# KiCad board motherboard.kicad_pcb (continued)
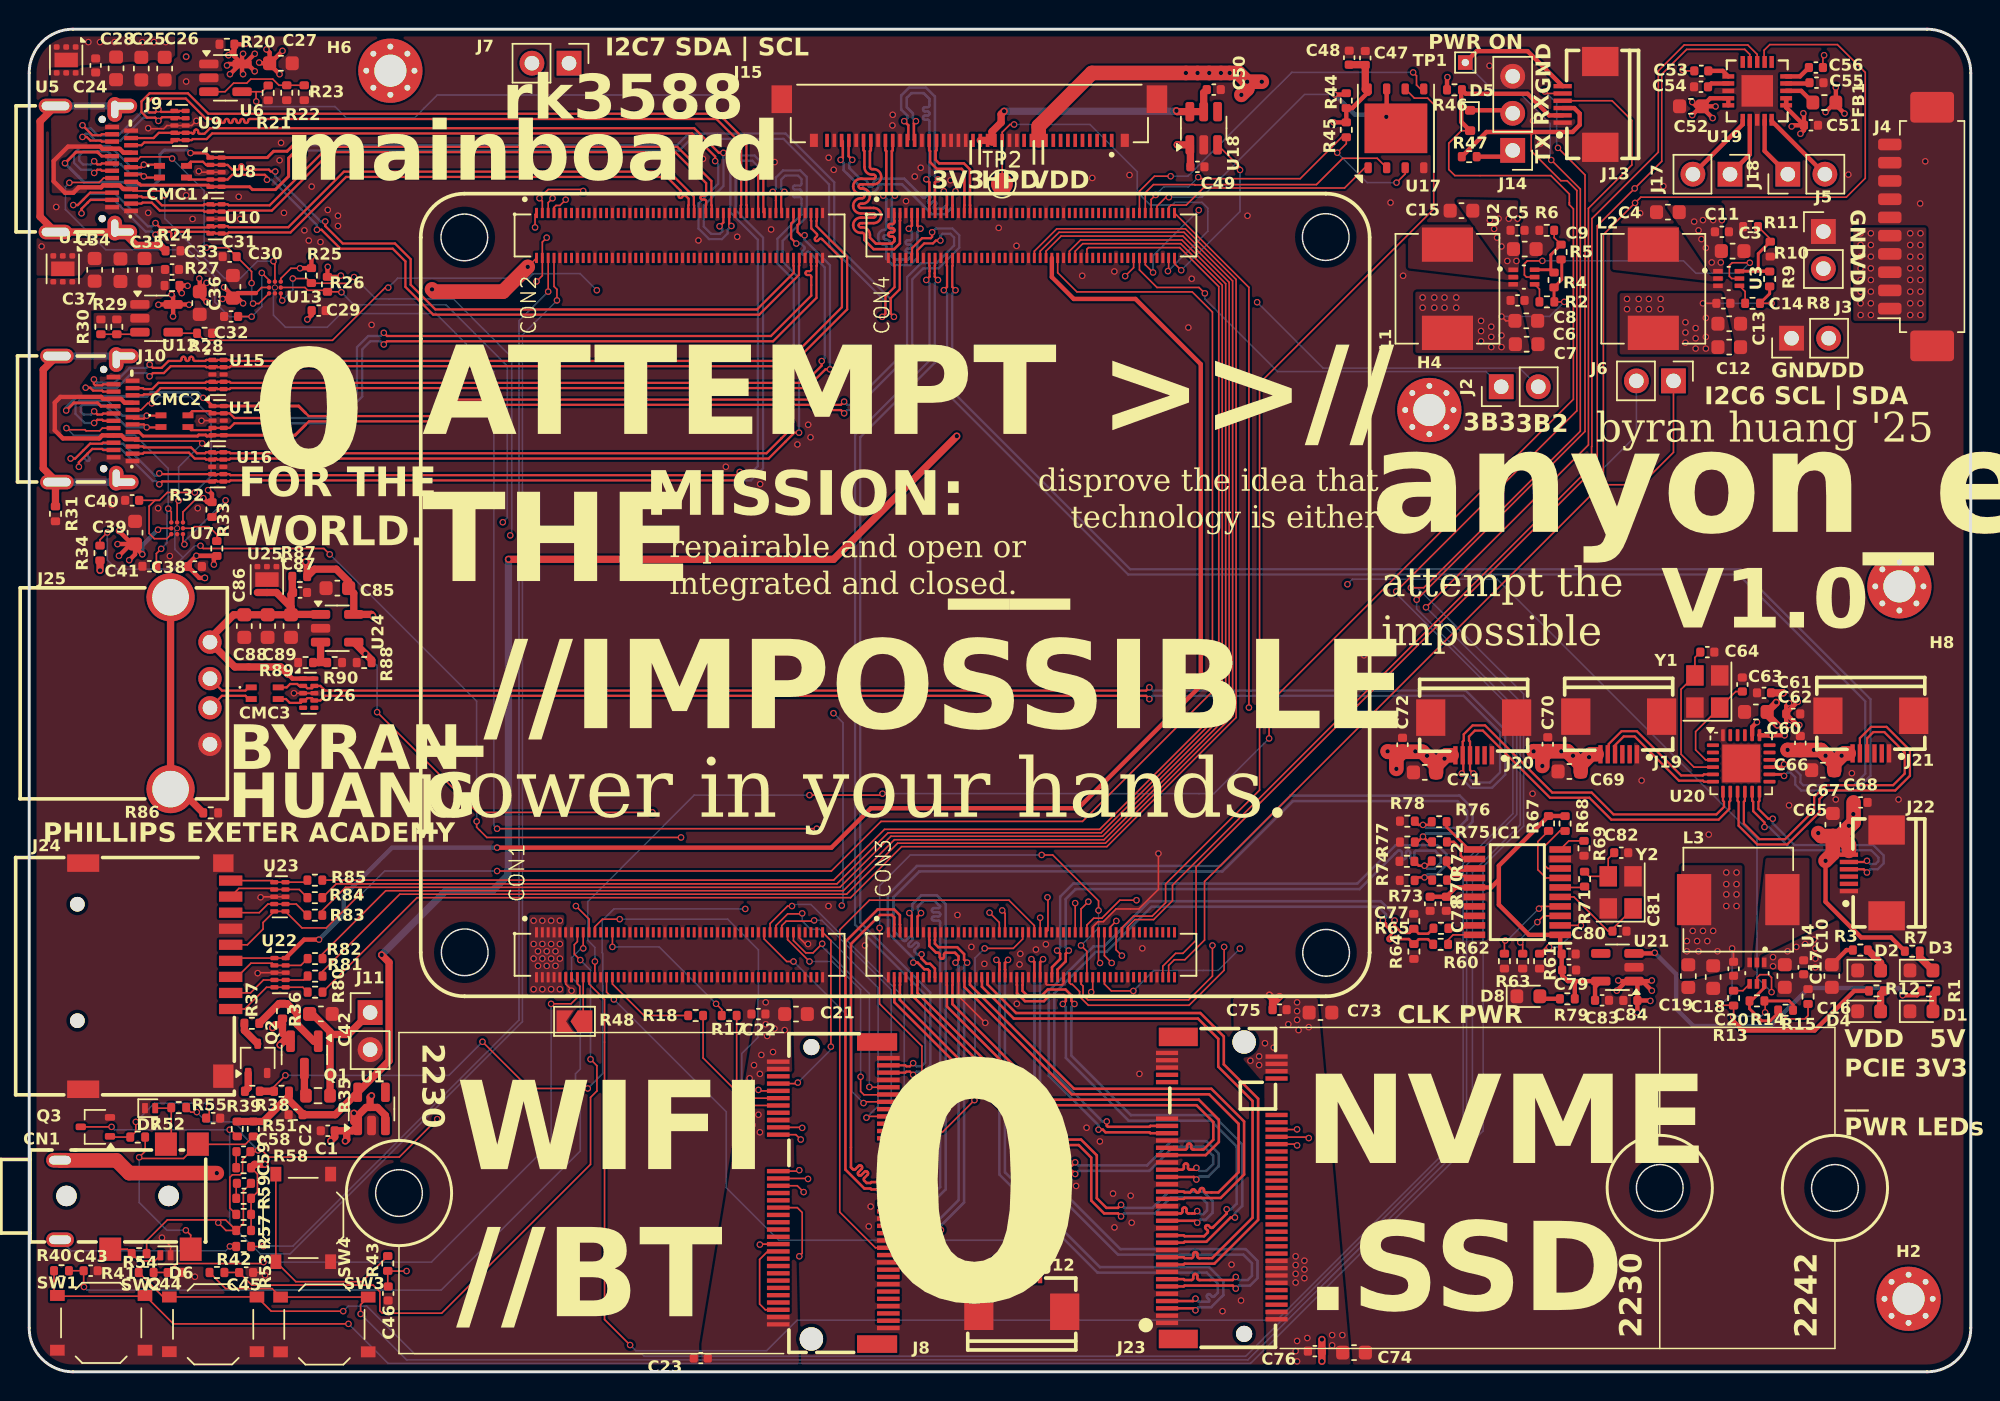
[diagram p0: board, top side]
## Routing (per net, layer and track width the routed paths; a pad name or vN(x,y) marks a point on that pad's centre or on a via; arc(x,y) is an arc through that point) (continued)
/PCIE30_PORT1_TX3P: length 41.1
  Top w0.176: J1.252 68.85,28.07 v1(68.65,28.28) ; v1(82.65,6.5) 82.44,6.29 80.14,6.29 arc(80.06,6.32) 80.02,6.4 80.02,6.59 arc(79.99,6.67) 79.91,6.7 79.85,6.7 arc(79.77,6.67) 79.74,6.59 79.74,6.4 arc(79.7,6.32) 79.62,6.29 79.14,6.29 79.08,6.35 J23.13
  Bottom w0.176: v1(68.65,28.28) 68.86,28.07 68.86,13.76 74.59,8.03 83.17,8.03 83.76,7.44 83.76,6.58 83.47,6.29 82.86,6.29 v1(82.65,6.5)
/PMIC_EXT_EN_OUT: length 168.1
  Top w0.11: U2.5 102.56,75.02 102.42,75.16 102.42,75.93 102.62,76.13 v1(103.65,76.13) ; U4.5 118.35,27.02 118.55,27.22 119.15,27.22 119.35,27.02 v1(119.35,26.02) ; J1.19 38.35,31.02 v1(37.45,31.92) ; U3.5 116.62,74.92 116.46,75.08 116.46,75.81 116.65,76 v1(117.86,76)
  In2.Cu w0.11: v1(37.45,31.92) 37.45,34.72 44.95,42.22 78.55,42.22 v1(90.3,53.97) 93.37,53.97 93.42,54.01 93.86,54.01 93.91,53.97 94.12,53.97 94.42,54.26 94.86,54.26 94.93,54.19 106.33,65.6 106.33,73.44 v1(103.65,76.13)
  Bottom w0.11: v1(119.35,26.02) 118.35,27.02 118.35,36.52 100.55,54.32 90.65,54.32 v1(90.3,53.97) ; v1(103.65,76.13) 113.32,76.13 114.17,75.28 117.14,75.28 v1(117.86,76)
/PWRON_L: length 56.1
  Top w0.11: R40.1 C43.1 3.73,5.84 v1(3.75,5.82) ; J1.17 37.95,29.02 v1(37.95,29.02)
  Bottom w0.11: v1(37.95,29.02) 37.79,29.02 37.15,28.37 37.15,27.02 37.75,26.42 37.75,20.76 37.42,20.43 37.42,19.5 37.75,19.17 37.75,15.13 28.22,5.6 3.96,5.6 v1(3.75,5.82)
/RECOVERY: length 79.3
  Top w0.11: C46.1 24.56,5.88 R43.1 24.57,6.91 v1(25.85,6.91) ; J1.101 34.65,79.31 v1(34.65,78.42)
  In2.Cu w0.11: v1(25.85,6.91) 27.29,8.34 27.29,23.7 26.55,24.43 26.55,70.62 34.35,78.42 v1(34.65,78.42)
/RESET_L: length 43.9
  Top w0.11: J1.16 37.55,26.58 37.71,26.41 37.71,25.82 37.11,25.22 v1(35.75,25.22) ; R41.1 C44.1 10.11,7.42 15.96,7.42 v1(16.05,7.52)
  Bottom w0.11: v1(16.05,7.52) 27.55,7.52 35.75,15.71 v1(35.75,25.22)
/SD Card/CLK: length 114.4
  Top w0.11: J1.360 70.45,75.31 71.77,74 79.67,74 81.05,72.62 81.05,46.62 72.15,37.72 58.35,37.72 54.95,34.32 v1(32.05,34.32) ; J24.5 14.95,29.26 16.02,30.34 16.02,30.79 U23.5 U23.6 18.69,30.42 20.35,30.42 22.55,32.62 v1(22.65,32.62)
  Bottom w0.11: v1(22.65,32.62) 24.35,34.32 v1(32.05,34.32)
/SD Card/CMD: length 6
  Top w0.11: U22.2 16.72,27.85 ; U22.2 16.65,28 15.19,28 14.25,27.06 J24.3 ; U22.2 U22.9 18.61,27.85 R82.2
/SD Card/D0: length 5.8
  Top w0.11: R83.2 18.3,32.05 U23.7 U23.4 16.35,32.05 15.76,31.46 J24.7
/SD Card/D1: length 5.8
  Top w0.11: R84.2 18.5,33.05 U23.9 U23.2 16.71,33.13 14.37,33.13 J24.8
/SD Card/D2: length 6
  Top w0.11: R80.2 18.74,26.35 U22.6 U22.5 16.26,26.35 14.77,24.86 J24.1
/SD Card/D3: length 5.8
  Top w0.11: R81.2 18.81,26.85 U22.7 U22.4 16.05,26.85 15.16,25.96 J24.2
/SD Card/DET: length 5.4
  Top w0.11: R85.2 18.92,33.55 U23.10 U23.1 16.67,33.66 J24.9
/SDMMC0_CMD: length 113.6
  Top w0.11: R82.1 20.09,28.64 24.42,32.96 55.77,32.96 59.26,36.46 73.62,36.46 82.2,45.03 82.2,74.66 79.03,77.83 70.69,77.83 69.65,76.79 J1.356
/SDMMC0_D0: length 110
  Top w0.11: J1.364 71.25,76.79 72.02,77.56 78.96,77.56 81.96,74.56 81.96,45.13 73.53,36.7 59.03,36.7 55.53,33.2 21.67,33.2 20.08,31.61 R83.1
/SDMMC0_D1: length 108.1
  Top w0.11: J1.366 71.65,76.79 72.17,77.31 78.88,77.31 81.72,74.46 81.72,45.23 73.43,36.93 58.83,36.93 55.33,33.44 21.02,33.44 R84.1
/SDMMC0_D2: length 116.7
  Top w0.11: J1.352 68.85,76.79 70.39,78.32 79.2,78.32 82.67,74.85 82.67,44.84 73.82,35.99 59.76,35.99 56.26,32.49 26.57,32.49 R80.1
/SDMMC0_D3: length 115.3
  Top w0.11: R81.1 20.09,27.44 25.38,32.73 55.99,32.73 59.49,36.22 73.72,36.22 82.43,44.93 82.43,74.75 79.1,78.09 70.55,78.09 69.25,76.79 J1.354
/System/BOOT_SARADC: length 181.5
  Top w0.11: v1(95.68,52.39) 106.81,63.51 106.81,79.72 109.78,82.7 109.78,85.75 108.43,87.1 J13.4 ; v1(22.7,3.97) 22.7,4.6 SW3.1 SW3.1 16.64,5.7 13.46,5.7 R42.2
  Bottom w0.11: v1(22.7,3.97) 25.85,0.81 83.48,0.81 98.86,16.2 98.86,34.22 102.13,37.49 102.13,45.93 v1(95.68,52.39)
/System/PWRON_L_IN: length 203.7
  Top w0.11: SW1.1 1.93,5.27 1.7,5.5 ; 1.7,5.5 R40.2 ; 1.7,5.5 2.02,5.18 7.88,5.18 SW1.1 9.88,3.29 v1(21.87,3.29) ; v1(94.64,53.73) 95.53,53.73 106.25,64.45 106.25,81.05 v1(104.26,83.04)
  Top w0.3: TP1.1 99.15,90.5 102.64,90.5 J13.6
  Bottom w0.11: v1(104.26,83.04) 104.19,83.11 104.19,85.53 102.23,87.49 100.6,87.49 TP1.1 ; v1(94.64,53.73) 95.1,53.73 102.37,46.45 102.37,37.39 99.59,34.61 99.59,16.51 83.66,0.58 24.58,0.58 v1(21.87,3.29)
/System/RECOVERY_IN: length 15
  Top w0.11: R43.2 22.8,6.18 18.27,6.18 SW4.1 SW4.1
/System/RESET_L_IN: length 182.9
  Top w0.11: v1(103.82,87.74) 103.96,87.6 J13.5 ; v1(95.04,52.91) 106.57,64.44 106.57,82.02 v1(104.72,83.87) ; v1(21.51,4.16) 16.58,4.16 SW2.1 SW2.1 9.18,5.13 R41.2
  Bottom w0.11: v1(103.82,87.74) 104.63,86.93 104.63,83.96 v1(104.72,83.87) ; v1(21.51,4.16) 21.86,4.5 23.13,4.5 26.42,1.21 41.99,1.21 42.13,1.06 83.33,1.06 98.46,16.2 98.46,34.74 101.9,38.18 101.9,45.41 95.04,52.27 v1(95.04,52.91)
/System/UART_RX: length 126.1
  Top w0.11: 105.5,80.12 105.5,80.7 104.24,81.97 97.66,81.97 97.24,82.39 97.24,84.18 98.1,85.04 D5.2 ; 105.5,80.12 105.5,80.05 ; 105.5,80.12 105.5,79.97 105.78,79.69 105.78,66.64 84.93,45.8 v1(84.93,43.4) ; v1(38.75,28.12) 38.75,28.11 J1.22 ; v1(53.45,39.52) 58.35,39.52 v1(58.45,39.62)
  Top w0.3: J13.2 104.12,86.1 102.64,87.58 98.41,87.58 R46.1 98.09,87.8 98.09,85.65 D5.2
  Bottom w0.11: v1(38.75,28.12) 38.75,29.08 38.26,29.57 38.26,32.23 45.55,39.52 v1(53.45,39.52) ; v1(84.93,43.4) 81.15,39.62 v1(58.45,39.62)
/System/UART_TX: length 180.9
  Top w0.11: v1(93.64,53.48) 93.64,53.48 106.01,65.86 106.01,80.95 105.34,81.62 104.92,81.62 102.89,83.65 102.89,84.77 103.08,84.96 ; v1(41.16,1.84) 39.41,3.59 39.41,25.51 38.35,26.58 J1.20
  Top w0.3: J13.3 105.84,86.6 106.21,86.22 106.21,85.45 105.72,84.96 99.82,84.96 R47.1
  Bottom w0.11: v1(93.64,53.48) 93.64,53.33 101.63,45.34 101.63,38.25 98.22,34.84 98.22,16.3 85.46,3.53 52.6,3.53 50.51,1.45 41.55,1.45 v1(41.16,1.84)
/USB2.0/D1_N: length 13.9
  Top w0.155: J22.5 125.81,34.94 v1(125.89,35.02) ; U20.11 118.02,39.13 118.09,39.06 118.09,38.42 118.87,37.64 v1(118.87,37.33)
  Bottom w0.155: v1(118.87,37.33) 119.18,37.33 120.78,35.74 126.18,35.74 126.67,35.24 126.67,34.99 126.48,34.79 126.11,34.79 v1(125.89,35.02)
/USB2.0/D1_P: length 14.6
  Top w0.155: J22.4 125.67,34.44 v1(125.89,34.22) ; v1(119.43,37.9) 119.12,37.9 118.45,38.57 118.45,39.06 118.52,39.13 U20.12
  Bottom w0.155: v1(125.89,34.22) 126.11,34.44 126.63,34.44 127.03,34.84 127.03,35.39 126.33,36.09 120.93,36.09 119.43,37.59 v1(119.43,37.9)
/USB2.0/D2_N: length 24.3
  Top w0.155: U20.9 117.02,39.13 117.09,39.06 117.09,37.42 118.38,36.14 120.43,36.14 122.63,38.34 122.63,39.24 123.23,39.84 127.83,39.84 128.83,40.84 128.83,42.59 127.23,44.19 126.18,44.19 125.4,43.42 J21.5
/USB2.0/D2_P: length 21.9
  Top w0.155: J21.4 125.9,43.41 126.33,43.84 127.08,43.84 128.47,42.44 128.47,40.99 127.68,40.19 123.08,40.19 122.27,39.39 122.27,38.49 120.28,36.49 118.53,36.49 117.45,37.57 117.45,39.06 117.52,39.13 U20.10
/USB2.0/D3_N: length 23.4
  Top w0.155: U20.7 116.02,39.13 116.09,39.06 116.09,38.71 115.58,38.19 108.53,38.19 107.03,39.69 104.33,39.69 99.73,44.29 98.88,44.29 98.27,43.68 98.27,43.25 98.2,43.18 98.2,42.25
/USB2.0/D3_P: length 23.4
  Top w0.155: U20.8 116.52,39.13 116.45,39.06 116.45,38.56 115.73,37.84 108.38,37.84 106.88,39.34 104.18,39.34 99.58,43.94 99.03,43.94 98.63,43.54 98.63,43.25 98.7,43.18 98.7,42.25
/USB2.0/D4_N: length 9.5
  Top w0.155: J19.5 108.13,42.79 108.2,42.86 108.2,43.02 109.08,43.89 110.13,43.89 113.16,40.86 114.65,40.86 114.72,40.94 U20.5
/USB2.0/D4_P: length 8.9
  Top w0.155: J19.4 108.63,42.79 108.56,42.86 108.56,42.87 109.23,43.54 109.98,43.54 113.01,40.51 114.65,40.51 114.72,40.44 U20.6
/USB2.0/X1: length 7.1
  Top w0.11: C63.1 116.9,46.62 Y1.1 114.15,43.87 114.15,42.62 114.83,41.94 U20.3
/USB2.0/X2: length 10.1
  Top w0.11: U20.4 114.03,41.44 113.15,42.32 113.15,46.77 Y1.3 114.1,48.95 C64.1
/USB20_HOST0_DN: length 94.5
  Top w0.155: v1(63.45,74.12) 63.23,74.34 63.23,75.78 63.25,75.8 J1.324
  Top w0.2: U20.14 120.11,40.94 v1(120.21,40.83)
  Bottom w0.155: v1(63.45,74.12) 63.23,73.89 63.23,67.19 75.43,54.99 117.23,54.99 126.13,46.09 126.13,40.84 125.13,39.84 121.38,39.84 120.97,40.24 120.97,40.74 120.66,41.05 120.43,41.05 v1(120.21,40.83)
/USB20_HOST0_DP: length 93.9
  Top w0.155: J1.322 62.85,75.8 62.87,75.78 62.87,74.34 v1(62.65,74.12)
  Top w0.2: U20.15 120.01,41.44 v1(120.21,41.63)
  Bottom w0.155: v1(120.21,41.63) 120.43,41.41 120.81,41.41 121.33,40.89 121.33,40.39 121.53,40.19 124.98,40.19 125.77,40.99 125.77,45.94 117.08,54.64 75.28,54.64 62.87,67.04 62.87,73.89 v1(62.65,74.12)
/USB20_HOST1_DN: length 62.9
  Top w0.155: v1(60.55,20.35) 60.33,20.57 60.08,20.57 60.01,20.5 J8.5 ; J1.318 62.05,75.8 62.03,75.78 62.03,75.28 62.03,75.04 v1(62.25,74.82)
  Bottom w0.155: v1(62.25,74.82) 62.03,74.59 62.03,69.14 56.93,64.04 56.93,30.79 61.73,25.99 61.73,21.04 61.26,20.57 60.77,20.57 v1(60.55,20.35)
/USB20_HOST1_DP: length 62.3
  Top w0.155: v1(61.45,74.82) 61.67,75.04 61.67,75.41 61.67,75.42 61.67,75.78 61.65,75.8 J1.316 ; v1(60.55,21.15) 60.33,20.93 60.08,20.93 60.01,21 J8.3
  Bottom w0.155: v1(60.55,21.15) 60.77,20.93 61.11,20.93 61.37,21.19 61.37,25.84 56.57,30.64 56.57,64.19 61.67,69.29 61.67,74.59 v1(61.45,74.82)
/USBC0/CC1: length 17.4
  Top w0.11: v1(15.33,73.2) 15.73,73.2 U13.C1 ; v1(15.23,74.6) 15.23,75.39 C31.1 13.6,77.03 v1(12.14,77.03) ; J9.A5 7.43,83.05 7.63,83.25 9.68,83.25 v1(9.79,83.14)
  Bottom w0.11: v1(9.79,83.14) 11.98,80.94 11.98,77.18 v1(12.14,77.03) ; v1(15.33,73.2) 15.23,73.3 v1(15.23,74.6)
/USBC0/CC2: length 26.9
  Top w0.11: v1(2.75,81.48) 2.77,81.5 4.79,81.5 5.09,81.8 J9.B5 ; v1(15.23,72.3) 15.22,72.32 C32.1 ; U13.A1 16.43,74.8 v1(15.93,75.3)
  Bottom w0.11: v1(15.93,75.3) 15.93,73 v1(15.23,72.3) 13.71,72.3 12.72,73.29 12.72,75.05 10.88,76.89 5.24,76.89 2.48,79.64 2.48,81.21 v1(2.75,81.48)
/USBC0/D+: length 49.9
  Top w0.155: v1(20.28,78.82) 20.28,78.51 21.48,77.31 25.06,77.31 26.13,76.24 26.13,74.49 27.83,72.79 49.86,72.79 52.37,75.31 52.37,75.78 52.35,75.8 J1.190 ; v1(16.85,82.25) 16.54,82.25 16.41,82.38 14.77,82.38 arc(14.69,82.41) 14.66,82.49 14.66,82.63 arc(14.63,82.7) 14.56,82.73 14.5,82.73 arc(14.43,82.7) 14.4,82.63 14.4,82.49 arc(14.37,82.41) 14.29,82.38 13.91,82.38 13.59,82.7 U8.9 U8.2 12.12,82.7 11.9,82.92 11.06,82.92 CMC1.4
  Bottom w0.155: v1(20.28,78.82) 19.97,78.82 16.85,81.94 v1(16.85,82.25)
/USBC0/D-: length 49.7
  Top w0.155: J1.192 52.75,75.8 52.73,75.78 52.73,75.16 50.01,72.44 27.68,72.44 25.77,74.34 25.77,76.09 24.91,76.96 21.33,76.96 20.03,78.26 v1(19.71,78.26) ; 10.78,81.84 10.91,81.7 U8.4 U8.7 13.59,81.7 13.91,82.02 16.14,82.02 16.29,81.87 v1(16.29,81.68)
  Bottom w0.155: v1(16.29,81.68) 16.6,81.68 19.71,78.57 v1(19.71,78.26)
/USBC0/IN_D+: length 11.3
  Top w0.155: 8.85,82.72 v1(7.85,82.72) 7.68,82.54 J9.A6 ; v1(4.45,82.15) 4.67,82.37 4.9,82.37 4.97,82.3 J9.B6
  Bottom w0.155: v1(7.85,82.72) 7.63,82.49 7.03,82.49 5.53,83.99 3.58,83.99 3.07,83.49 3.07,82.84 3.54,82.37 4.23,82.37 v1(4.45,82.15)
/USBC0/IN_D-: length 11.2
  Top w0.155: 8.75,81.84 7.93,81.84 v1(7.85,81.92) 7.72,82.05 J9.A7 ; J9.B7 4.97,82.8 4.9,82.73 4.67,82.73 v1(4.45,82.95)
  Bottom w0.155: v1(7.85,81.92) 7.63,82.14 6.88,82.14 6.26,82.76 arc(6.18,82.79) 6.11,82.76 5.98,82.63 arc(5.91,82.6) 5.83,82.63 5.79,82.67 arc(5.76,82.75) 5.79,82.82 5.92,82.94 arc(5.95,83.02) 5.92,83.1 5.88,83.13 arc(5.81,83.16) 5.73,83.13 5.61,83.01 arc(5.53,82.98) 5.46,83.01 5.42,83.05 arc(5.39,83.12) 5.42,83.2 5.54,83.32 arc(5.57,83.4) 5.54,83.47 5.38,83.64 3.73,83.64 3.43,83.34 3.43,82.99 3.69,82.73 4.23,82.73 v1(4.45,82.95)
/USBC0/RX1+: length 60.7
  Top w0.155: U9.10 10.3,86.4 10.23,86.33 10.14,86.33 10.07,86.4 U9.1 9.88,86.33 9.04,86.33 v1(8.85,86.52) 8.63,86.29 8.23,86.29 8.05,86.47 8.05,86.9 8.4,87.25 10.73,87.25 12.13,85.85 12.5,85.85 arc(12.57,85.82) 12.61,85.74 12.61,85.68 arc(12.64,85.61) 12.71,85.58 12.76,85.58 arc(12.84,85.61) 12.87,85.68 12.87,85.74 arc(12.9,85.82) 12.98,85.85 13.03,85.85 arc(13.11,85.82) 13.14,85.74 13.14,85.68 arc(13.17,85.61) 13.24,85.58 13.3,85.58 arc(13.37,85.61) 13.4,85.68 13.4,85.74 arc(13.43,85.82) 13.51,85.85 13.56,85.85 arc(13.64,85.82) 13.67,85.74 13.67,85.68 arc(13.7,85.61) 13.77,85.58 13.83,85.58 arc(13.9,85.61) 13.93,85.68 13.93,85.74 arc(13.96,85.82) 14.04,85.85 14.09,85.85 arc(14.17,85.82) 14.2,85.74 14.2,85.68 arc(14.23,85.61) 14.3,85.58 14.36,85.58 arc(14.43,85.61) 14.46,85.68 14.46,85.74 arc(14.49,85.82) 14.57,85.85 14.62,85.85 arc(14.7,85.82) 14.73,85.74 14.73,85.68 arc(14.76,85.61) 14.84,85.58 14.89,85.58 arc(14.96,85.61) 14.99,85.68 14.99,85.74 arc(15.03,85.82) 15.1,85.85 47.08,85.85 48.77,84.15 48.77,79.95 48.75,79.93 J1.171 ; J9.B11 4.97,84.8 4.9,84.73 4.34,84.73 v1(3.65,85.42)
  Bottom w0.155: v1(3.65,85.42) 3.87,85.19 4.23,85.19 4.69,84.73 6.11,84.73 7.68,86.29 8.63,86.29 v1(8.85,86.52)
/USBC0/RX1-: length 60.5
  Top w0.155: U9.9 10.3,85.9 10.23,85.97 10.14,85.97 10.07,85.9 U9.2 9.88,85.97 9.11,85.97 v1(8.85,85.72) 8.63,85.94 8.08,85.94 7.69,86.32 7.69,87.05 8.25,87.6 10.88,87.6 12.28,86.2 47.23,86.2 49.13,84.3 49.13,79.95 49.15,79.93 J1.173 ; J9.B10 4.97,84.3 4.9,84.37 4.19,84.37 3.94,84.62 v1(3.65,84.62)
  Bottom w0.155: v1(8.85,85.72) 8.63,85.94 7.83,85.94 6.26,84.37 4.54,84.37 4.08,84.84 3.87,84.84 v1(3.65,84.62)
/USBC0/RX2+: length 44.9
  Top w0.155: J1.159 46.35,79.93 46.37,79.95 46.37,80.22 arc(46.34,80.3) 46.26,80.33 46.09,80.33 arc(46.01,80.36) 45.98,80.43 45.98,80.49 arc(46.01,80.56) 46.09,80.59 46.26,80.59 arc(46.34,80.62) 46.37,80.7 46.37,81.45 44.25,83.58 20.63,83.58 16.62,79.57 13.66,79.57 13.59,79.5 U10.9 12.77,79.5 12.7,79.57 12.61,79.57 12.53,79.5 U10.2 12,79.5 11.93,79.57 8.94,79.57 8.4,80.12 7.76,80.12 7.69,80.05 J9.A11
/USBC0/RX2-: length 44.9
  Top w0.155: J1.161 46.75,79.93 46.73,79.95 46.73,81.6 44.4,83.93 20.48,83.93 16.47,79.93 13.66,79.93 13.59,80 U10.10 12.77,80 12.7,79.93 12.61,79.93 12.53,80 U10.1 12,80 11.93,79.93 9.09,79.93 8.55,80.47 7.76,80.47 7.69,80.54 J9.A10
/USBC0/SBUS+: length 66.8
  Top w0.155: J1.304 59.25,75.8 59.27,75.78 59.27,74.32 58.65,73.7 58.65,72.51 v1(58.43,72.29)
  Top w0.2: J9.A8 7.37,81.54 7.5,81.41 7.56,81.41 7.65,81.32 12.29,81.32 U8.5 U8.6 15.1,81.2 15.29,81.01 16.86,81.01 17.77,81.92 17.77,83.17 18.26,83.66 18.51,83.66 v1(18.71,83.47)
  Bottom w0.155: v1(58.43,72.29) 58.65,72.51 58.65,73.35 54.79,77.21 54.79,81.36 51.67,84.49 45.33,84.49 44.53,83.69 18.93,83.69 v1(18.71,83.47)
/USBC0/SBUS-: length 76.7
  Top w0.155: J1.306 59.65,75.8 59.63,75.78 59.63,74.17 59.01,73.56 59.01,72.51 v1(59.23,72.29)
  Top w0.2: v1(2.45,82.82) 3.21,83.58 4.69,83.58 4.97,83.3 J9.B8 ; v1(11.05,83.52) 12.09,83.52 U8.1 U8.10 16.31,83.2 16.74,83.64 17.67,83.64 18.1,84.07 18.51,84.07 v1(18.71,84.27)
  Bottom w0.155: v1(18.71,84.27) 18.93,84.04 44.38,84.04 45.18,84.84 51.82,84.84 55.15,81.51 55.15,77.36 59.01,73.5 59.01,72.51 v1(59.23,72.29)
  Bottom w0.2: v1(2.45,82.82) 3.75,81.52 6.55,81.52 6.75,81.32 8.55,81.32 8.95,81.72 8.95,83.42 9.25,83.72 10.85,83.72 v1(11.05,83.52)
/USBC0/TX1+: length 50.7
  Top w0.155: J9.A2 8.52,84.54 8.88,84.9 U9.4 10.07,84.9 10.14,84.83 10.23,84.83 10.3,84.9 U9.7 11.13,84.9 11.2,84.83 arc(11.27,84.86) 11.31,84.94 11.31,85.01 arc(11.34,85.09) 11.41,85.12 11.46,85.12 arc(11.54,85.09) 11.57,85.01 11.57,84.94 arc(11.6,84.86) 11.68,84.83 12,84.83 12.39,85.21 45.56,85.21 47.24,83.53 v1(47.55,83.53) ; J1.165 47.55,78.75 v1(47.29,78.5)
  Bottom w0.155: v1(47.29,78.5) 47.48,78.3 47.48,78.15 47.31,77.97 46.72,77.97 46.21,78.48 46.21,79.91 47.55,81.25 v1(47.55,83.53)
/USBC0/TX1-: length 50.7
  Top w0.155: v1(48.1,78.52) 47.95,78.67 J1.167 ; J9.A3 7.69,84.05 7.88,84.24 9.78,84.24 U9.5 10.07,84.4 10.14,84.47 10.23,84.47 10.3,84.4 U9.6 11.13,84.4 11.2,84.47 12.15,84.47 12.54,84.86 45.41,84.86 46.99,83.27 v1(46.99,82.96)
  Bottom w0.155: v1(46.99,82.96) 47.19,82.76 47.19,81.4 45.85,80.06 45.85,78.33 46.57,77.62 47.46,77.62 47.84,78 47.84,78.25 v1(48.1,78.52)
/USBC0/TX2+: length 50.5
  Top w0.155: J1.153 45.15,79.93 45.17,79.95 45.17,80.38 44.97,80.59 arc(44.89,80.62) 44.82,80.59 44.69,80.46 arc(44.62,80.43) 44.54,80.46 44.5,80.5 arc(44.47,80.58) 44.5,80.65 44.63,80.77 arc(44.66,80.85) 44.63,80.93 43.68,81.88 21.71,81.88 17.9,78.07 13.66,78.07 13.59,78 U10.6 12.77,78 12.7,78.07 12.61,78.07 12.53,78 U10.5 12.29,78.12 10.11,78.12 arc(10.03,78.08) 10,78.01 10,77.79 arc(9.97,77.71) 9.9,77.68 9.84,77.68 arc(9.77,77.71) 9.74,77.79 9.74,78.01 arc(9.7,78.08) 9.63,78.12 8.85,78.12 v1(8.65,77.92) ; J9.B2 4.19,80.3 3.58,79.69 v1(3.58,79.38)
  Bottom w0.155: v1(3.58,79.38) 3.58,79.69 4.26,80.37 5.74,80.37 7.98,78.14 8.43,78.14 v1(8.65,77.92)
/USBC0/TX2-: length 50.5
  Top w0.155: v1(8.65,78.72) 8.95,78.42 12.33,78.42 U10.4 12.53,78.5 12.61,78.43 12.7,78.43 12.77,78.5 U10.7 13.59,78.5 13.66,78.43 17.75,78.43 21.56,82.23 43.83,82.23 45.53,80.53 45.53,79.95 45.55,79.93 J1.155 ; J9.B3 4.18,80.8 3.33,79.95 v1(3.02,79.95)
  Bottom w0.155: v1(8.65,78.72) 8.43,78.49 8.13,78.49 5.89,80.73 4.11,80.73 3.33,79.95 v1(3.02,79.95)
/USBC1/CC1: length 20.5
  Top w0.11: J10.A5 7.66,65.92 8.12,66.37 v1(8.4,66.37) ; 8.92,59.72 9.46,60.26 v1(11.34,60.26) ; 8.92,59.72 C40.1 ; 8.92,59.72 8.61,59.72 8.21,59.31 8.21,57.45 8.57,57.09 9.42,57.09 U7.C1
  Bottom w0.11: v1(11.34,60.26) 11.34,60.26 12.46,61.38 12.46,65.41 11.05,66.82 8.85,66.82 v1(8.4,66.37)
/USBC1/CC2: length 19.6
  Top w0.11: v1(9.04,56.39) 8.71,56.07 C41.1 ; J10.B5 5.01,64.67 4.83,64.48 3.9,64.48 3.82,64.56 2.66,64.56 v1(2.55,64.67) ; v1(9.52,59.15) 9.73,58.94 U7.A1
  Bottom w0.11: v1(2.55,64.67) 3.04,64.18 7.24,64.18 9.52,61.9 v1(9.52,59.15) 9.43,59.06 9.43,56.79 v1(9.04,56.39)
/USBC1/D+: length 51.9
  Top w0.155: v1(24.29,71.2) 24.51,70.97 50.81,70.97 53.57,73.74 53.57,75.05 arc(53.54,75.13) 53.46,75.16 53.29,75.16 arc(53.21,75.19) 53.18,75.26 53.18,75.32 arc(53.21,75.39) 53.29,75.42 53.46,75.42 arc(53.54,75.45) 53.57,75.53 53.57,75.78 53.55,75.8 J1.196 ; CMC2.4 11.16,65.83 12.41,65.83 U14.2 U14.9 13.74,65.68 14.06,65.36 17.4,65.36 v1(17.62,65.58)
  Bottom w0.155: v1(17.62,65.58) 17.84,65.36 20.83,65.36 22.45,66.98 22.45,70.21 23.22,70.97 24.07,70.97 v1(24.29,71.2)
/USBC1/D-: length 51.9
  Top w0.155: J1.198 53.95,75.8 53.93,75.78 53.93,73.59 50.96,70.62 24.51,70.62 v1(24.29,70.4) ; v1(17.62,64.78) 17.4,65 14.06,65 13.74,64.68 U14.7 U14.4 12.41,64.53 11.09,64.53 CMC2.3
  Bottom w0.155: v1(24.29,70.4) 24.07,70.62 23.37,70.62 22.81,70.06 22.81,66.83 20.98,65 17.84,65 v1(17.62,64.78)
/USBC1/IN_D+: length 11.1
  Top w0.155: CMC2.1 9,65.52 v1(8.05,65.52) 7.85,65.32 7.17,65.32 7.08,65.41 ; v1(4.45,65.02) 4.67,65.24 5,65.24 5.07,65.17 J10.B6
  Bottom w0.155: v1(8.05,65.52) 6.39,65.52 5.36,66.54 3.42,66.54 3.17,66.29 3.17,65.64 3.8,65.02 v1(4.45,65.02)
/USBC1/IN_D-: length 10.1
  Top w0.155: J10.A7 7.85,64.92 v1(8.05,64.72) 9,64.72 CMC2.2 ; J10.B7 5.07,65.67 5,65.59 4.67,65.59 v1(4.45,65.82)
  Bottom w0.155: v1(8.05,64.72) 6.7,64.72 5.16,66.25 3.64,66.25 3.53,66.14 3.53,65.79 3.73,65.59 4.23,65.59 v1(4.45,65.82)
/USBC1/RX1+: length 64.2
  Top w0.155: v1(4.43,68) 4.43,67.69 4.53,67.59 5,67.59 5.07,67.67 J10.B11 ; v1(8.25,69.02) 8.47,68.79 9.08,68.79 9.55,69.27 10.33,69.27 arc(10.41,69.3) 10.44,69.37 10.44,69.45 arc(10.47,69.52) 10.54,69.55 10.6,69.55 arc(10.67,69.52) 10.7,69.45 10.7,69.37 arc(10.73,69.3) 10.81,69.27 10.86,69.27 arc(10.94,69.3) 10.97,69.37 10.97,69.45 arc(11,69.52) 11.07,69.55 11.13,69.55 arc(11.2,69.52) 11.23,69.45 11.23,69.37 arc(11.26,69.3) 11.34,69.27 12.06,69.27 12.13,69.34 U15.1 12.67,69.34 12.74,69.27 12.83,69.27 12.9,69.34 U15.10 13.73,69.34 13.8,69.27 51.99,69.27 55.67,72.95 55.67,76.25 54.29,77.63 arc(54.22,77.66) 54.14,77.63 54.02,77.51 arc(53.94,77.47) 53.87,77.51 53.83,77.54 arc(53.8,77.62) 53.83,77.69 53.96,77.82 arc(53.99,77.89) 53.96,77.97 53.57,78.35 53.57,78.86 53.55,78.88 J1.195
  Bottom w0.155: v1(8.25,69.02) 8.03,68.79 6.88,68.79 5.87,67.79 4.64,67.79 v1(4.43,68)
/USBC1/RX1-: length 64.2
  Top w0.155: v1(8.25,68.22) 8.47,68.44 9.23,68.44 9.7,68.91 12.06,68.91 12.13,68.84 U15.2 12.67,68.84 12.74,68.91 12.83,68.91 12.9,68.84 U15.9 13.73,68.84 13.8,68.91 52.14,68.91 56.03,72.8 56.03,76.4 53.93,78.5 53.93,78.86 53.95,78.88 J1.197 ; J10.B10 5.07,67.17 5,67.24 4.38,67.24 4.18,67.43 v1(3.87,67.43)
  Bottom w0.155: v1(8.25,68.22) 8.03,68.44 7.03,68.44 6.02,67.43 v1(3.87,67.43)
/USBC1/RX2+: length 70.5
  Top w0.155: v1(50.93,80.86) 51.15,80.63 51.15,80.26 51.15,80.25 J1.183 ; v1(52.73,64.35) 52.42,64.35 50.65,62.58 13.78,62.58 13.71,62.51 U16.9 12.89,62.51 12.82,62.58 12.73,62.58 12.66,62.51 U16.2 12.12,62.51 12.05,62.58 11.34,62.58 10.94,62.98 7.86,62.98 7.79,62.92 J10.A11
  Bottom w0.155: v1(52.73,64.35) 52.73,74.96 51.61,76.08 51.61,77.49 53.26,79.14 53.26,81.88 52.82,82.32 51.64,82.32 51.15,81.84 51.15,81.08 v1(50.93,80.86)
/USBC1/RX2-: length 70.5
  Top w0.155: 7.08,63.41 7.79,63.41 7.86,63.34 11.09,63.34 11.49,62.94 12.05,62.94 12.12,63.01 U16.1 12.66,63.01 12.73,62.94 12.82,62.94 12.89,63.01 U16.10 13.71,63.01 13.78,62.94 50.5,62.94 52.17,64.61 v1(52.17,64.92) ; J1.185 51.51,79.45 51.51,80.63 v1(51.73,80.86)
  Bottom w0.155: v1(52.17,64.92) 52.37,65.13 52.37,74.81 51.25,75.93 51.25,77.64 52.9,79.29 52.9,80.38 arc(52.87,80.45) 52.8,80.49 52.43,80.49 arc(52.35,80.52) 52.32,80.59 52.32,80.65 arc(52.35,80.72) 52.43,80.75 52.8,80.75 arc(52.87,80.78) 52.9,80.86 52.9,80.91 arc(52.87,80.99) 52.8,81.02 52.43,81.02 arc(52.35,81.05) 52.32,81.12 52.32,81.18 arc(52.35,81.25) 52.43,81.28 52.8,81.28 arc(52.87,81.31) 52.9,81.39 52.9,81.73 52.67,81.97 51.79,81.97 51.51,81.69 51.51,81.08 v1(51.73,80.86)
/USBC1/SBUS+: length 71.2
  Top w0.155: v1(55.82,65.68) 55.6,65.9 53.85,65.9 53.49,66.26 28.87,66.26 27.74,65.13 19.16,65.13 18.93,64.9 ; v1(61.85,78.08) 61.85,77.77 61.76,77.68 61.16,77.68 60.47,76.99 60.47,76.6 60.45,76.58 J1.310
  Top w0.2: 7.08,64.41 7.52,64.41 7.8,64.12 11.54,64.12 11.61,64.2 12.09,64.2 12.17,64.12 12.5,64.12 U14.5 U14.6 18.21,64.18 18.93,64.9
  Bottom w0.155: v1(55.82,65.68) 56.04,65.9 56.49,65.9 60.49,69.91 60.49,74.87 61.24,75.61 62.3,75.61 63.71,77.03 63.71,77.87 63.24,78.34 62.11,78.34 v1(61.85,78.08)
/USBC1/SBUS-: length 78.3
  Top w0.155: J1.312 60.85,76.58 60.83,76.6 60.83,76.84 61.31,77.32 61.91,77.32 62.1,77.52 v1(62.42,77.52) ; v1(55.82,66.48) 55.6,66.26 54,66.26 53.64,66.62 28.72,66.62 27.59,65.49 19.14,65.49 18.93,65.7
  Top w0.2: v1(11.92,66.74) 11.99,66.74 U14.1 U14.10 18.46,66.18 18.93,65.7 ; v1(2.53,65.87) 3.06,66.4 4.69,66.4 4.92,66.17 J10.B8
  Bottom w0.155: v1(62.42,77.52) 62.42,77.83 62.57,77.99 63.09,77.99 63.35,77.73 63.35,77.17 62.15,75.97 61.09,75.97 60.13,75.01 60.13,70.05 56.34,66.26 56.04,66.26 v1(55.82,66.48)
  Bottom w0.2: v1(11.92,66.74) 11.57,67.1 8.32,67.1 8.07,66.84 3.3,66.84 2.53,66.08 v1(2.53,65.87)
/USBC1/TX1+: length 60.5
  Top w0.155: v1(54.29,69.26) 54.29,68.95 53.11,67.77 13.8,67.77 13.73,67.84 U15.7 12.9,67.84 12.83,67.77 12.74,67.77 12.67,67.84 U15.4 12.13,67.84 12.06,67.77 8.85,67.77 8.42,67.34 7.86,67.34 7.79,67.41 7.08,67.41 ; v1(52.55,77.31) 52.2,77.67 52.2,78.68 52.35,78.84 J1.189
  Bottom w0.155: v1(54.29,69.26) 54.49,69.47 54.49,75.68 53.44,76.74 arc(53.36,76.77) 53.29,76.74 53.13,76.58 arc(53.05,76.55) 52.98,76.58 52.94,76.61 arc(52.91,76.69) 52.94,76.76 53.1,76.92 arc(53.13,77) 53.1,77.07 52.86,77.31 v1(52.55,77.31)
/USBC1/TX1-: length 60.5
  Top w0.155: v1(53.11,77.88) 52.86,77.88 52.63,78.1 52.63,78.59 52.75,78.7 J1.191 ; v1(54.85,68.69) 54.54,68.69 53.26,67.41 13.8,67.41 13.73,67.34 U15.6 12.9,67.34 12.83,67.41 12.74,67.41 12.67,67.34 U15.5 12.13,67.34 12.06,67.41 9,67.41 8.57,66.98 7.86,66.98 7.79,66.92 J10.A3
  Bottom w0.155: v1(54.85,68.69) 54.85,75.83 53.11,77.57 v1(53.11,77.88)
/USBC1/TX2+: length 80.3
  Top w0.155: v1(49.71,82.26) 49.93,82.03 49.93,79.42 J1.177 ; v1(8.91,60.82) 9.11,61.01 U16.5 12.66,61.01 12.73,61.08 12.82,61.08 12.89,61.01 U16.6 13.71,61.01 13.78,61.08 48.45,61.08 v1(48.67,60.86) ; v1(3.4,62.01) 3.4,62.32 4.31,63.24 5,63.24 5.07,63.17 J10.B2
  Bottom w0.155: v1(8.91,60.82) 8.69,61.04 8.48,61.04 6.28,63.24 4.31,63.24 3.99,62.91 arc(3.96,62.83) 3.99,62.76 4.13,62.62 arc(4.16,62.55) 4.13,62.47 4.09,62.44 arc(4.01,62.4) 3.94,62.44 3.8,62.57 arc(3.73,62.6) 3.65,62.57 3.4,62.32 v1(3.4,62.01) ; v1(49.71,82.26) 49.93,82.48 49.93,82.59 49.54,82.99 48.82,82.99 48.39,82.56 48.39,82.37 arc(48.42,82.3) 48.5,82.27 48.67,82.27 arc(48.75,82.24) 48.78,82.16 48.78,82.11 arc(48.75,82.03) 48.67,82 48.5,82 arc(48.42,81.97) 48.39,81.9 48.39,79.6 50.27,77.72 50.27,61.91 49.44,61.08 48.89,61.08 v1(48.67,60.86)
/USBC1/TX2-: length 80.2
  Top w0.155: v1(8.91,61.56) 8.97,61.51 U16.4 12.66,61.51 12.73,61.44 12.82,61.44 12.89,61.51 U16.7 13.71,61.51 13.78,61.44 48.45,61.44 v1(48.67,61.66) ; v1(2.84,62.58) 3.15,62.58 4.17,63.59 5,63.59 5.07,63.67 J10.B3 ; v1(50.51,82.26) 50.29,82.03 50.29,79.47 J1.179
  Bottom w0.155: v1(50.51,82.26) 50.29,82.48 50.29,82.74 49.69,83.34 48.67,83.34 48.03,82.71 48.03,79.45 49.91,77.57 49.91,62.06 49.29,61.44 48.89,61.44 v1(48.67,61.66) ; v1(8.91,61.56) 8.75,61.39 8.63,61.39 6.43,63.59 4.17,63.59 3.15,62.58 v1(2.84,62.58)
/VDC_MODE: length 3.1
  Top w0.11: J1.18 37.95,27.03 37.95,24.14 R48.1
Net-(C58-Pad2): length 1.1
  Top w0.11: C58.2 14.18,15.07 R58.2
Net-(C59-Pad2): length 1.1
  Top w0.11: C59.2 14.18,12.87 R59.2
Net-(C82-Pad1): length 3.5
  Top w0.11: C82.1 108.16,35.16 Y2.3 106.86,33.95 R71.2
Net-(D1-A): length 1.5
  Top w0.5: R1.1 130.41,25.87 D1.2
Net-(D2-A): length 1.8
  Top w0.5: D2.2 126.82,28.02 R3.1
Net-(D3-A): length 1.7
  Top w0.5: R7.1 129.5,28.41 D3.2
Net-(D4-A): length 1.5
  Top w0.5: R12.1 126.82,25.88 D4.2
Net-(D5-K): length 3
  Top w0.3: J14.2 101.41,86.44 D5.1
Net-(D8-A): length 1.4
  Top w0.3: R79.1 103.65,25.56 D8.2
Net-(IC1-CLK0): length 2.3
  Top w0.11: IC1.20 97.54,29.94 97.19,29.6 R60.1
Net-(IC1-IREF): length 1.9
  Top w0.11: R69.2 105.46,36.38 IC1.10
Net-(IC1-OE): length 4.3
  Top w0.11: IC1.8 104.03,34.49 103.84,34.68 103.84,36.05 104.85,37.06 R68.2
Net-(IC1-S0): length 5.1
  Top w0.11: v1(106.29,30.6) 106.29,30.59 IC1.2 ; R61.2 103.92,29.11 v1(104.12,29.11)
  Bottom w0.11: v1(106.29,30.6) 104.8,29.11 v1(104.12,29.11)
Net-(IC1-S1): length 4.5
  Top w0.11: IC1.3 103.74,31.24 v1(103.31,30.82) ; v1(102.14,29.43) 102.3,29.26 R63.2
  Bottom w0.11: v1(103.31,30.82) 102.14,29.65 v1(102.14,29.43)
Net-(IC1-S2): length 5.7
  Top w0.11: v1(103.42,31.74) 103.58,31.89 IC1.4 ; R66.2 101.05,29.5 v1(101.11,29.56)
  Bottom w0.11: v1(103.42,31.74) 101.28,29.6 101.15,29.6 v1(101.11,29.56)
Net-(IC1-~{CLK0}): length 2
  Top w0.11: R62.1 97.37,30.24 98.09,30.24 98.45,30.59 IC1.19
Net-(IC1-~{PD}): length 4.7
  Top w0.11: IC1.7 103.91,33.84 103.34,34.41 103.34,36.33 R67.2
Net-(J8-PCM_IN/I2S_SD_IN): length 7.8
  Top w0.11: R17.1 48.46,19.91 49.62,18.75 J8.12
Net-(J8-PCM_OUT/I2S_SD_OUT): length 9.4
  Top w0.11: J8.14 49.42,18.25 46.16,21.51 R18.1
Net-(J8-~{SDIO_RESET}): length 2.3
  Top w0.11: R19.2 58.86,16.01 J8.23
Net-(J9-SHIELD): length 22.1
  Top w0.5: 5.62,86.74 J9.S1 ; R24.1 8.97,77.19 7.33,77.19 J9.S1 J9.S1 0.75,79.15 0.75,85.69 J9.S1
  Bottom w0.5: J9.S1 5.62,86.74 J9.S1
Net-(J10-SHIELD): length 19.5
  Top w0.5: 1.9,69.61 0.96,68.67 0.96,61.9 J10.S1 1.8,60.87 R31.1
  Bottom w0.5: J10.S1 5.69,60.97 J10.S1 ; 1.9,69.61 5.72,69.61 J10.S1
Net-(J11-Pin_1): length 9.7
  Top w0.5: C42.1 19.39,24.52 20.61,23.31 R35.2 ; 20.61,23.12 21.85,23.12 J11.1
Net-(J14-Pin_1): length 2.6
  Top w0.3: R47.2 101.19,83.27
  Top w0.5: 101.19,83.27 J14.1
Net-(J17-Pin_1): length 4.3
  Top w0.3: J17.1 117.86,83.42 U19.7
Net-(J17-Pin_2): length 5.1
  Top w0.3: J17.2 117.38,85.48 U19.6
Net-(J18-Pin_1): length 4.4
  Top w0.3: U19.9 118.88,83.65 J18.1
Net-(J18-Pin_2): length 5.2
  Top w0.3: U19.10 119.36,85.71 J18.2
Net-(J25-Shield): length 16.1
  Top w0.5: R86.1 10.29,39.93 J25.5 J25.5
Net-(Q1-D): length 1.9
  Top w0.5: Q1.3 18.85,19.03 R35.1
Net-(Q1-G): length 6.1
  Top w0.5: Q1.1 19.5,22.65 18.35,23.8 18.35,24.55 17.67,25.23 R36.2 17.11,25.23 R37.1
Net-(Q2-D): length 1.8
  Top w0.5: R37.2 14.74,23.39 Q2.3
Net-(Q2-G): length 1.3
  Top w0.5: R39.2 15,19.45 Q2.1
Net-(Q3-G): length 9.1
  Top w0.11: C57.1 12.33,17.6 v1(12.33,18.16) ; Q3.1 5.58,16.09 R52.1 7.3,16.46 v1(7.3,17.13)
  Bottom w0.11: v1(7.3,17.13) 8.58,18.41 12.08,18.41 v1(12.33,18.16)
Net-(U2-FB): length 4.9
  Top w0.11: R5.1 104.46,77.71 R6.2
  Top w0.2: U2.6 104.26,75.52 R4.1 104.23,75.55 104.23,76.54 R5.1
Net-(U2-PG): length 1.3
  Top w0.11: R2.1 103.45,74.19 U2.4
Net-(U3-FB): length 6.1
  Top w0.11: R10.2 119.26,77.63 R11.2
  Top w0.2: 118.87,75.42 118.66,75.42 118.44,75.63 118.44,76.62 R10.2 ; 118.87,75.42 119.2,75.42 R9.1 ; 118.87,75.42 U3.6
Net-(U3-PG): length 1.4
  Top w0.11: U3.4 117.54,74.03 R8.1
Net-(U4-FB): length 8.1
  Top w0.11: R15.1 120.4,24.18 121.62,24.18 121.85,24.41 R16.2
  Top w0.2: R15.1 119.8,24.59 119.26,24.05 118.67,24.05 117.84,24.88 R14.1 117.95,25.42 118.85,26.31 U4.6
Net-(U4-PG): length 1.3
  Top w0.11: U4.4 117.39,26.12 R13.1
Net-(U6-ISET): length 7.1
  Top w0.11: R23.1 R22.1 17.11,88.16 16.68,88.58 15.18,88.58 14.9,88.31 14,88.31 13.41,87.72 U6.3
Net-(U12-ISET): length 2.7
  Top w0.11: R30.1 R29.1 7.44,71.09 U12.3
Net-(U19-AVDD): length 2.2
  Top w0.3: U19.13 121.38,87.77 FB1.2
Net-(U19-INL+): length 1.5
  Top w0.3: C53.2 116.01,89.14 U19.1
Net-(U19-INL-): length 1.5
  Top w0.3: C54.2 115.23,88.28 U19.2
Net-(U19-INR+): length 1.8
  Top w0.3: C56.2 121.3,88.76 U19.15
Net-(U19-INR-): length 1.6
  Top w0.3: C55.2 121.9,88.28 U19.14
Net-(U24-ISET): length 2.4
  Top w0.5: 19.83,48.6 19.96,48.73 U24.3 ; 19.83,48.6 R90.1 ; 19.83,48.6 R89.1

## Copper pours and planes (outline as drawn; the poured copper is in the pictures)
+3.3V on Top: 94.95,69.82 94.95,74.02 101.95,74.02 102.85,69.82
+3.3V on In3.Cu: 133.65,92.42 133.65,-0.58 -0.35,-0.58 -0.35,92.42
+3.3V_PCIE on Top: 113.15,34.72 117.35,34.72 117.35,27.72 113.15,26.82
+3.3V_PCIE on Top: 82.45,25.62 82.55,22.12 84.61,19.72 84.75,0.32 90.55,0.22 88.25,25.62
+3.3V_PCIE on Top: 49.95,25.52 46.05,1.92 46.05,-0.68 52.75,-0.68 52.15,25.52
+3.3V_PCIE on In2.Cu: 48.85,24.52 48.35,-0.68 133.65,-0.58 133.65,36.32 112.05,35.82 112.05,23.72
+5V on Top: 108.95,69.72 108.95,73.92 115.95,73.92 116.85,69.72
+5V on In2.Cu: 133.65,92.42 133.65,-0.58 -0.35,-0.58 -0.35,92.42
/3V3_SW on Top: 94.45,78.62 94.45,75.62 101.25,74.82 102.05,74.82 102.05,75.22 101.25,75.22 99.45,78.62
/5V_SW on Top: 108.45,78.52 108.45,75.52 115.25,74.72 116.05,74.72 116.05,75.12 115.25,75.12 113.45,78.52
/USBC0/VBUS on Top: 1.46,89.21 1.55,80.77 3.95,80.77 4.05,87.82 10.05,87.82 10.05,88.82 10.45,89.12 13.45,89.12 13.45,91.42 10.15,91.42 10.15,90.12 9.75,89.82
/USBC1/VBUS on Top: 0.03,74.96 3.63,74.96 4.05,75.52 9.65,75.82 9.65,74.02 8.05,72.72 4.25,72.72 4.25,68.62 3.65,67.82 3.65,64.28 0.05,64.28
GND on Top, Bottom, In1.Cu, In4.Cu: 0,92 177,92 177,0 0,0
VDD on Top: 124.95,78.42 124.95,72.02 129.95,72.02 129.95,78.42
VDD on Top: 112.09,79.94 115.25,75.22 116.05,75.22 116.01,79.95
VDD on Top: 34.25,31.32 34.25,25.92 36.65,25.92 36.65,31.32
VDD on Top: 97.66,80.36 101.25,75.32 102.05,75.32 101.99,80.28
VDD on Top: 123.98,31.03 118.65,28.42 118.65,27.62 124.1,27.36
VDD on In3.Cu: 134.2,81.53 100.51,80.29 81.67,91.06 75.24,90.22 93.2,78.83 109.35,65.32 120.95,49.52 113.65,28.12 41.15,31.52 32.95,31.52 32.75,24.22 124.05,24.02
/PCIE_SW on Top: 121.95,35.22 118.95,35.22 118.15,28.42 118.15,27.62 118.55,27.62 118.55,28.42 121.95,30.22

## Text on the board
B.Silkscreen: byran huang '25 | attempt the / impossible | anyon_e | 0
F.Silkscreen: 0 | GND | VDD | PWR ON | RX | TX | I2C7 SDA | SCL | || / 3V3 | | / HPD | || / VDD | 3B3 | 3B2 | I2C6 SCL | SDA | CLK PWR | VDD   5V / PCIE 3V3 / __ / PWR LEDs | PHILLIPS EXETER ACADEMY | repairable and open or / integrated and closed. | disprove the idea that / technology is either | attempt the / impossible | byran huang '25 | FOR THE / WORLD. | MISSION: | BYRAN | HUANG | rk3588 | V1.0 | power in your hands. | mainboard | ATTEMPT >>// / THE      __ / _//IMPOSSIBLE | WIFI / //BT | NVME / .SSD | anyon_e
